# Altium PCB PCB1.PcbDoc (part 5 of 5)
Units mil, origin at the board's own origin, x right, y up, seen from the top; angles counter-clockwise.
Board outline 6250.19 x 5128.14 mil, 2 copper layers (Top Layer, Bottom Layer); 140 components, 0 nets, 729 pads, 141 vias.
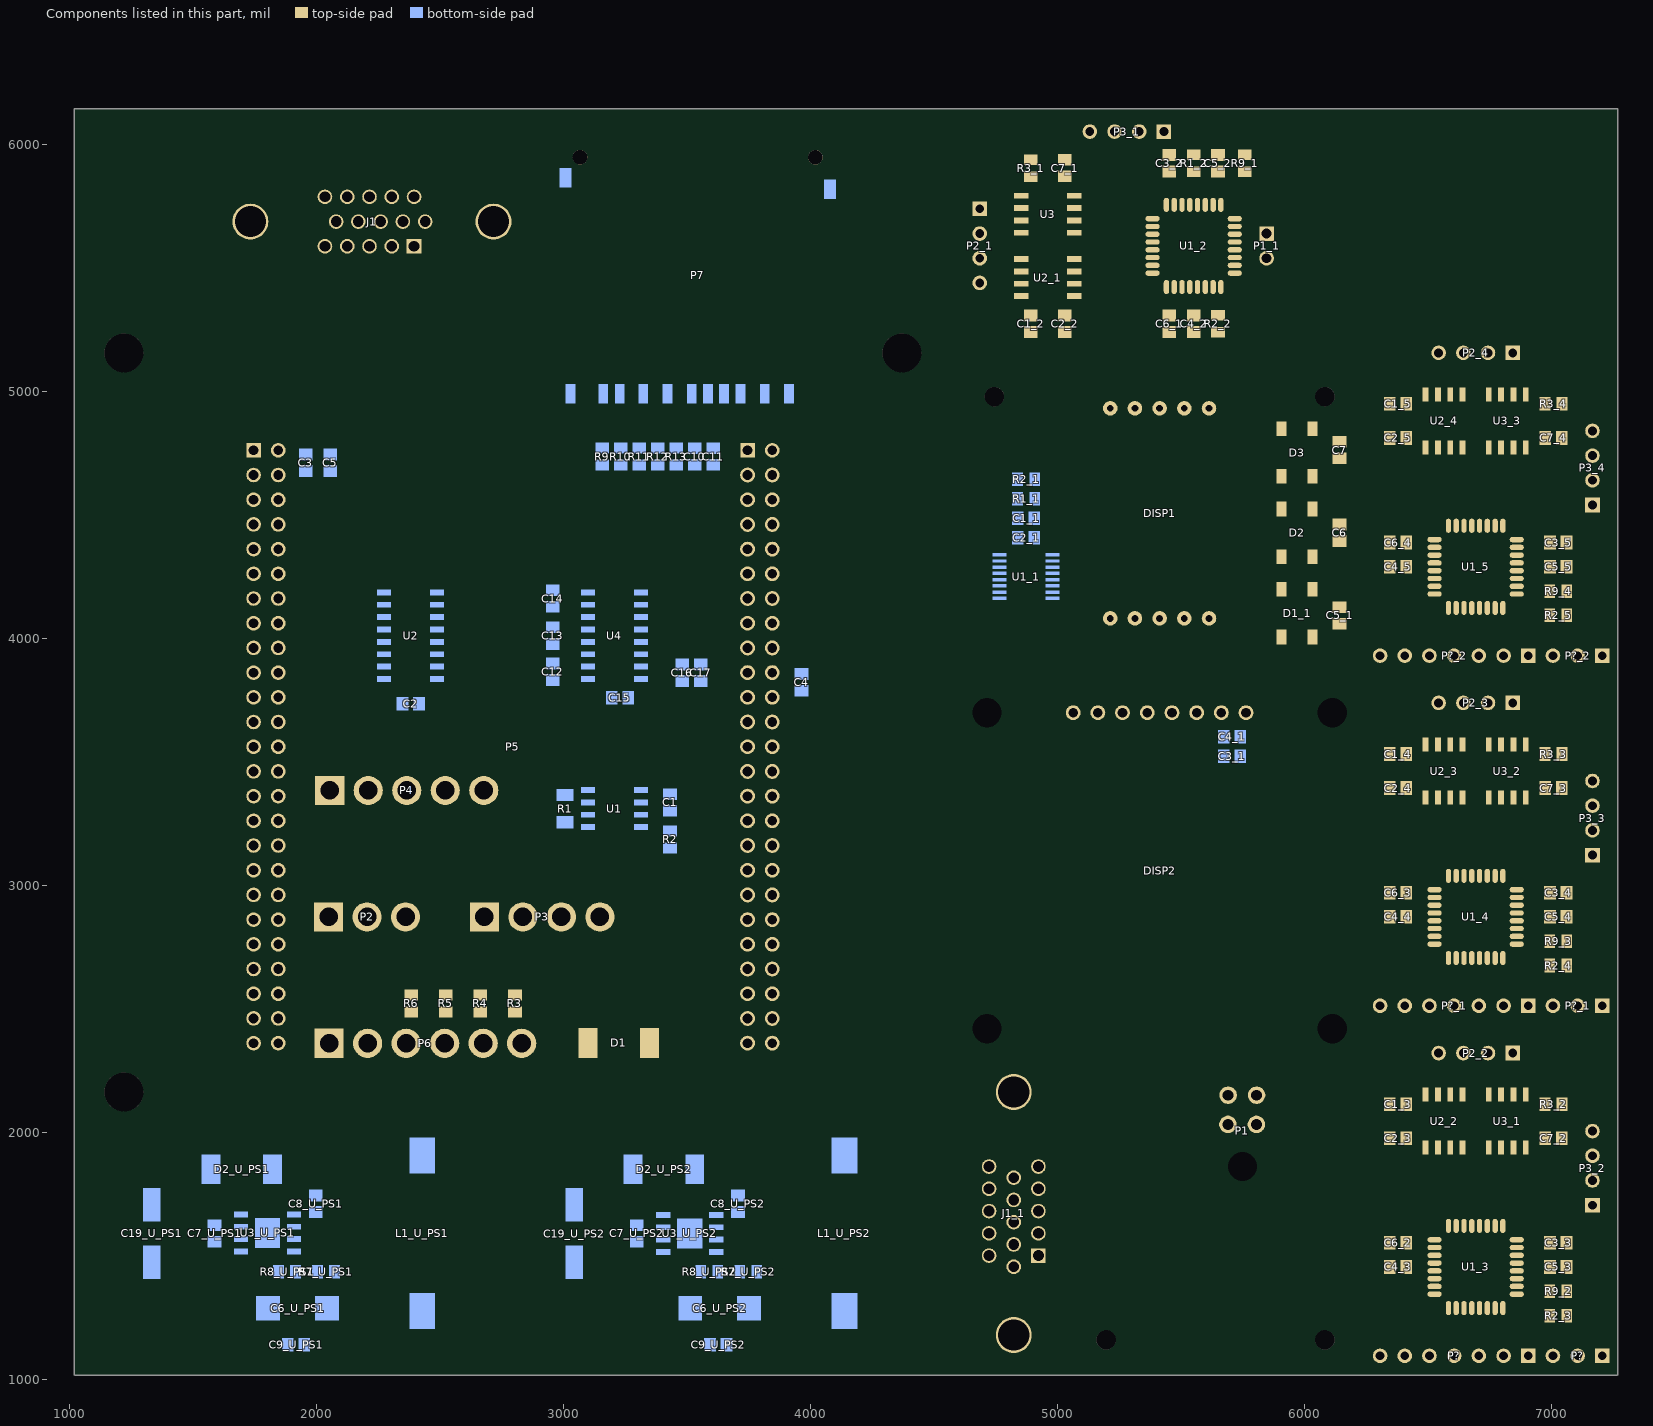
[diagram p5: the components of this part, seen from the top]

## Via types
v1: diameter 35.43/35.43 (per signal layer), hole 11.81, Top Layer to Bottom Layer, tented both sides, 115 vias
v2: diameter 47.24/47.24 (per signal layer), hole 19.68, Top Layer to Bottom Layer, tented both sides, 14 vias
v3: diameter 35.43, hole 11.81, Top Layer to Bottom Layer, tented both sides, 12 vias

## Nets (pads, with @x,y where several pads share a name; then routed paths per layer and width w, separated by ;. In a path a pad name is that pad's centre, name@x,y a point inside that pad or via, vN(x,y) a via of type N, cw(c..) or ccw(c..) an arc to the next point about the centre after c; other vN are vias at no path point) (continued)
copper on no net: (continued)
  Bottom Layer w1: 5939.7,1357.62 5978.7,1357.62 ; 5939.7,1358.62 5978.7,1358.62 ; 5940.7,1323.62 5978.7,1323.62 ; 5940.7,1355.62 5978.7,1355.62 ; 5940.7,1356.62 5978.7,1356.62 ; 5941.7,1352.62 5978.7,1352.62 ; 5941.7,1353.62 5978.7,1353.62 ; 5941.7,1354.62 5978.7,1354.62 ; 5942.7,1322.62 5978.7,1322.62 ; 5942.7,1350.62 5978.7,1350.62 ; 5942.7,1351.62 5978.7,1351.62 ; 5943.7,1321.62 5978.7,1321.62 ; 5943.7,1348.62 5978.7,1348.62 ; 5943.7,1349.62 5978.7,1349.62 ; 5944.7,1284.62 5978.7,1284.62 ; 5944.7,1319.62 5978.7,1319.62 ; 5944.7,1320.62 5978.7,1320.62 ; 5944.7,1346.62 5978.7,1346.62 ; 5944.7,1347.62 5978.7,1347.62 ; 5945.7,1285.62 5978.7,1285.62 ; 5945.7,1317.62 5978.7,1317.62 ; 5945.7,1318.62 5978.7,1318.62 ; 5945.7,1344.62 5978.7,1344.62 ; 5945.7,1345.62 5978.7,1345.62 ; 5946.7,1286.62 5978.7,1286.62 ; 5946.7,1287.62 5978.7,1287.62 ; 5946.7,1288.62 5978.7,1288.62 ; 5946.7,1289.62 5978.7,1289.62 ; 5946.7,1290.62 5978.7,1290.62 ; 5946.7,1291.62 5978.7,1291.62 ; 5946.7,1292.62 5978.7,1292.62 ; 5946.7,1293.62 5978.7,1293.62 ; 5946.7,1294.62 5978.7,1294.62 ; 5946.7,1295.62 5978.7,1295.62 ; 5946.7,1296.62 5978.7,1296.62 ; 5946.7,1297.62 5978.7,1297.62 ; 5946.7,1298.62 5978.7,1298.62 ; 5946.7,1299.62 5978.7,1299.62 ; 5946.7,1300.62 5978.7,1300.62 ; 5946.7,1301.62 5978.7,1301.62 ; 5946.7,1302.62 5978.7,1302.62 ; 5946.7,1303.62 5978.7,1303.62 ; 5946.7,1304.62 5978.7,1304.62 ; 5946.7,1305.62 5978.7,1305.62 ; 5946.7,1306.62 5978.7,1306.62 ; 5946.7,1307.62 5978.7,1307.62 ; 5946.7,1308.62 5978.7,1308.62 ; 5946.7,1309.62 5978.7,1309.62 ; 5946.7,1310.62 5978.7,1310.62 ; 5946.7,1311.62 5978.7,1311.62 ; 5946.7,1312.62 5978.7,1312.62 ; 5946.7,1313.62 5978.7,1313.62 ; 5946.7,1314.62 5978.7,1314.62 ; 5946.7,1315.62 5978.7,1315.62 ; 5946.7,1316.62 5978.7,1316.62 ; 5946.7,1341.62 5978.7,1341.62 ; 5946.7,1342.62 5978.7,1342.62 ; 5946.7,1343.62 5978.7,1343.62 ; 5947.7,1339.62 5978.7,1339.62 ; 5947.7,1340.62 5978.7,1340.62 ; 5948.7,1336.62 5978.7,1336.62 ; 5948.7,1337.62 5978.7,1337.62 ; 5948.7,1338.62 5978.7,1338.62
  Bottom Layer w10: 1745.28,2462.99 1795.75,2513.46 1865.79,2513.46 1900.77,2548.44 1900.77,2578.78 1958.32,2636.34 2370.91,2636.34 v1(2383.62,2623.62) ; 1745.28,2562.99 1794.88,2612.6 1878.02,2612.6 1941.76,2676.34 2405.46,2676.34 2425.46,2656.34 2537.17,2656.34 2569.89,2623.62 v1(2663.62,2623.62) ; 1745.28,3862.99 1693.63,3914.63 1693.63,4086.35 1655.75,4124.24 1655.75,4197.62 1631.3,4222.07 1631.3,4493.79 1611.3,4513.79 1611.3,4834.44 1893.62,5116.76 1893.62,5755.34 1980.88,5842.6 2251.1,5842.6 2304.73,5788.98 ; 1745.28,3962.99 1791.3,4009.02 1791.3,4087.6 1764.26,4114.63 1721.92,4114.63 1695.75,4140.8 1695.75,4214.19 1671.3,4238.64 1671.3,4510.36 1651.3,4530.36 1651.3,4817.87 1933.62,5100.19 1933.62,5453.62 1983.62,5503.62 2263.62,5503.62 v1(2343.62,5423.62) ; 1745.28,4062.99 1675.75,4132.52 1675.75,4205.91 1651.3,4230.36 1651.3,4502.07 1631.3,4522.07 1631.3,4826.15 1913.62,5108.47 1913.62,5694.92 1957.2,5738.5 2099.85,5738.5 2100.76,5737.6 2148.08,5737.6 2148.98,5738.5 2190.01,5738.5 2190.92,5737.6 2238.23,5737.6 2239.13,5738.5 2280.16,5738.5 2281.07,5737.6 2328.39,5737.6 2329.29,5738.5 2390.44,5738.5 2445.32,5683.62 ; 1745.28,4362.99 1795.67,4312.6 2356.3,4312.6 2406.3,4262.6 2406.3,4037.6 2453.15,3990.75 2488.58,3990.75 ; 1845.28,2562.99 1856.69,2562.99 1950.04,2656.34 2397.17,2656.34 2429.89,2623.62 v1(2523.62,2623.62) ; 1845.28,2662.99 1900.12,2662.99 1933.47,2696.34 2413.74,2696.34 2433.74,2676.34 2545.46,2676.34 2565.46,2656.34 2677.17,2656.34 2709.89,2623.62 v1(2803.62,2623.62) ; 1845.28,3862.99 1794.88,3812.6 1725.63,3812.6 1693.63,3844.59 1693.63,3886.35 1673.63,3906.35 1673.63,4078.06 1635.75,4115.95 1635.75,4189.34 1611.3,4213.79 1611.3,4485.5 1591.3,4505.5 1591.3,4842.72 1873.62,5125.04 1873.62,5763.62 1982.6,5872.6 2311.26,5872.6 2400.24,5783.62 ; 1845.28,3962.99 1913.62,3894.65 1913.62,3753.62 1873.46,3713.46 1824.76,3713.46 1824.6,3713.62 1765.95,3713.62 1765.79,3713.46 1724.76,3713.46 1695.75,3742.48 1695.75,3814.19 1673.63,3836.31 1673.63,3878.06 1653.63,3898.06 1653.63,4069.78 1615.75,4107.67 1615.75,4181.06 1591.3,4205.5 1591.3,4477.22 1571.3,4497.22 1571.3,4851 1853.62,5133.33 1853.62,5771.91 1974.31,5892.6 2374.65,5892.6 v1(2393.62,5873.62) ; 1845.28,4062.99 1794.8,4113.46 1794.8,4183.51 1765.71,4212.6 1725.63,4212.6 1691.3,4246.93 1691.3,4518.64 1671.3,4538.64 1671.3,4809.58 1973.62,5111.91 v1(1973.62,5423.62) ; v1(2213.62,5423.62) 2213.62,5323.62 1691.3,4801.3 1691.3,4546.93 1724.76,4513.46 1764.85,4513.46 1794.8,4483.51 1794.8,4443.42 1824.76,4413.46 1864.85,4413.46 1894.8,4383.51 1894.8,4359.09 1921.3,4332.6 2364.58,4332.6 2426.3,4270.88 2426.3,4067.6 2456.3,4037.6 2506.3,4037.6 ; 2231.3,5587.6 2234.25,5590.55 ; v1(2446.3,5872.6) 2784.65,5872.6 3123.62,5533.62 3883.56,5533.62 4006.3,5410.88 4006.3,4114.31 3895.28,4003.29 3895.28,3942.28 3865.99,3912.99 3824.57,3912.99 3795.28,3883.7 3795.28,3733.62 3815.91,3712.99 3865.99,3712.99 3906.3,3672.68 3906.3,3332.6 3886.69,3312.99 3795.28,3312.99 3745.28,3262.99 ; 2488.58,3887.6 2569.09,3887.6 2603.62,3853.07 v1(2603.62,3723.62) ; 2488.58,4087.6 2556.3,4087.6 2703.62,3940.28 v1(2703.62,3723.62) ; 2488.58,4187.6 2656.3,4187.6 2686.3,4217.6 2686.3,4270.88 2723.01,4307.6 3636.3,4307.6 3676.3,4267.6 3676.3,4217.6 3730.91,4162.99 3745.28,4162.99 ; 2506.3,3937.6 2596.3,3937.6 2653.62,3880.28 v1(2653.62,3723.62) ; 2506.3,4137.6 2634.58,4137.6 2706.3,4209.31 2706.3,4262.6 2731.3,4287.6 3628.01,4287.6 3656.3,4259.31 3656.3,4207.6 3688.52,4175.38 3688.52,4149.03 3724.57,4112.99 3795.28,4112.99 3845.28,4062.99 ; v1(2513.62,5833.62) 2795.34,5833.62 3115.34,5513.62 3875.28,5513.62 3986.3,5402.6 3986.3,4122.6 3876.69,4012.99 3795.28,4012.99 3745.28,4062.99 ; v1(2523.62,3033.62) 2526.99,3033.62 2550.97,3057.6 2815.88,3057.6 2873.62,3115.34 2873.62,3483.62 2903.62,3513.62 3585.61,3513.62 3633.62,3561.64 3633.62,3941.91 3588.6,3986.93 3313.58,3986.93 ; v1(2523.62,3083.62) 2524.27,3084.27 2814.27,3084.27 2853.62,3123.62 2853.62,3491.91 2895.34,3533.62 3577.32,3533.62 3613.62,3569.92 3613.62,3933.62 3580.31,3966.93 3396.93,3966.93 3367.6,3937.6 3313.58,3937.6 ; 2656.3,3401.97 2672.44,3385.83 ; v1(2941.3,3172.6) 2941.3,3285.94 3004.35,3349 3015.75,3337.6 3099.02,3337.6 ; 2956.3,3833.3 2977.14,3833.3 2972.84,3837.6 3099.02,3837.6 ; 2972.44,3912.6 2982.44,3902.6 2996.3,3902.6 3031.3,3937.6 3099.02,3937.6 ; 2972.44,3983.47 2976.57,3987.6 3099.02,3987.6 ; 2972.44,4050.39 2985.24,4037.6 3099.02,4037.6 ; 2972.44,4121.26 2997.64,4121.26 3029.88,4089.02 3099.02,4089.02 ; v1(3013.62,3173.62) 3013.62,3270.83 3006.3,3278.15 3015.75,3287.6 3099.02,3287.6 ; 3099.02,3887.6 3156.3,3887.6 3194.88,3849.02 3194.88,3761.02 ; 3101.38,3387.6 3156.3,3387.6 3191.3,3352.6 3191.3,3227.6 3256.3,3162.6 3415.98,3162.6 3424.05,3154.53 ; 3156.3,4772.05 3156.3,4862.6 3106.3,4912.6 3106.3,5112.6 3181.3,5187.6 3831.3,5187.6 3913.39,5105.51 3913.39,4992.48 ; 3160.64,4992.48 3160.64,4908.26 3231.3,4837.6 3231.3,4772.05 ; 3227.57,4960.94 3227.57,4961.73 ; 3227.57,4992.48 3227.57,4961.73 ; 3306.3,4772.05 v1@3306.3,4882.2 ; v1(3306.3,4887.6) v1@3306.3,4882.99 ; 3313.58,3237.6 3276.3,3237.6 3256.3,3257.6 3256.3,3427.6 3286.3,3457.6 3604.58,3457.6 3676.3,3385.88 3676.3,3261.26 3722.39,3215.17 3763.81,3215.17 3795.28,3183.7 3795.28,3112.99 3845.28,3062.99 ; 3313.58,3387.6 3313.58,3419.88 3331.3,3437.6 3596.3,3437.6 3656.3,3377.6 3656.3,3251.97 3745.28,3162.99 ; 3313.58,4035.47 3628.43,4035.47 3671.3,3992.6 3671.3,3708.68 3691.3,3688.68 3691.3,3642.6 3720.91,3612.99 3795.28,3612.99 3845.28,3662.99 ; 3313.58,4085.47 3606.71,4085.47 3691.3,4000.88 3691.3,3716.97 3745.28,3662.99 ; 3381.3,4772.05 v1(3381.3,4887.6) 3381.3,4952.51 3421.26,4992.48 ; 3456.3,4772.05 v1(3456.3,4887.6) 3458.8,4885.1 3653.8,4885.1 3716.53,4947.83 3716.53,4992.48 ; 3734.25,3062.99 3745.28,3062.99 ; v1(3806.3,4912.6) 3814.97,4921.27 3814.97,4992.48 ; 3845.28,3162.99 3862.99,3162.99 ; 4721.73,1681.1 4722.83,1681.1 ; 4722.83,1502.75 4676.3,1549.29 4676.3,1883.62 4726.3,1933.62 5062.87,1933.62 5236.3,2107.05 5236.3,3451.91 5163.39,3524.82 5163.39,3700.79 ; 4722.83,1592.91 4776.3,1539.45 4776.3,1483.62 4746.3,1453.62 4696.3,1453.62 4656.3,1493.62 4656.3,1891.91 4718.02,1953.62 5054.58,1953.62 5216.3,2115.34 5216.3,3443.62 5063.39,3596.54 5063.39,3700.79 ; 4722.83,1683.07 4722.83,1681.1 ; 4722.83,1773.22 4746.7,1773.22 ; 4722.83,1863.38 4722.83,1880.16 ; 4765.55,4188.98 4721.65,4188.98 4716.3,4183.62 4716.3,4093.62 4986.3,3823.62 5406.3,3823.62 5463.39,3766.54 5463.39,3700.79 5463.39,3620.71 5296.3,3453.62 5296.3,2013.62 v1(5256.3,1973.62) ; 4765.55,4214.17 4718.57,4214.17 4696.3,4191.91 4696.3,4083.62 4976.3,3803.62 5326.3,3803.62 5363.39,3766.54 5363.39,3700.79 5363.39,3548.99 5276.3,3461.91 5276.3,2043.62 v1(5206.3,1973.62) ; 4765.55,4239.37 4715.48,4239.37 4676.3,4200.19 4676.3,4075.34 5006.3,3745.34 5006.3,3623.62 5196.3,3433.62 5196.3,2123.62 5046.3,1973.62 4709.73,1973.62 4636.3,1900.19 4636.3,1483.62 4716.3,1403.62 4846.3,1403.62 4876.3,1433.62 4876.3,1557.34 4840.17,1593.46 4804.39,1593.46 4722.83,1675.02 4722.83,1681.1 ; 4765.55,4264.57 4728.92,4264.57 4696.3,4297.19 4696.3,4741.91 5048.02,5093.62 5536.3,5093.62 5666.3,4963.62 5666.3,4913.62 5636.3,4883.62 5546.3,4883.62 5513.39,4916.54 5513.39,4933.07 ; 4765.55,4289.76 4732.01,4289.76 4716.3,4305.47 4716.3,4733.62 5056.3,5073.62 5472.83,5073.62 5613.39,4933.07 ; 4765.55,4314.96 4799.09,4314.96 4826.3,4287.76 4826.3,4103.62 4931.5,3998.43 5321.1,3998.43 5366.3,4043.62 5366.3,4113.62 5386.3,4133.62 5462.44,4133.62 5513.39,4082.68 ; 4765.55,4340.16 4802.18,4340.16 4846.3,4296.04 4846.3,4113.62 4936.3,4023.62 5256.3,4023.62 5313.39,4080.71 5313.39,4082.68 ; 4876.3,1818.31 4966.3,1818.31 ; 4907.28,4645.67 4934.25,4645.67 4956.3,4623.62 4956.3,4373.62 4933.8,4351.12 4933.8,4196.12 4940.94,4188.98 4980.12,4188.98 ; 4922.83,1683.07 5765.75,1683.07 5956.3,1873.62 v1(5956.3,3623.62) ; 4980.12,4264.57 4983.43,4267.87 5428.19,4267.87 5613.39,4082.68 ; 4980.12,4289.76 5062.44,4289.76 5213.39,4440.71 5213.39,4933.07 ; 4980.12,4314.96 5059.35,4314.96 5193.39,4448.99 5193.39,4846.54 5156.3,4883.62 5156.3,4953.62 5180.28,4977.6 5268.86,4977.6 5313.39,4933.07 ; 4980.12,4340.16 5052.83,4340.16 5173.39,4460.71 5173.39,4838.25 5136.3,4875.34 5136.3,4961.91 5171.99,4997.6 5332.32,4997.6 5366.3,4963.62 5366.3,4863.62 5666.3,4563.62 5666.3,4063.62 5636.3,4033.62 5586.3,4033.62 5561.75,4058.18 5561.75,4098.18 5506.3,4153.62 5284.33,4153.62 5213.39,4082.68 ; 5036.3,4963.62 5090.28,5017.6 5362.32,5017.6 5386.3,4993.62 ; v1(5156.3,1973.62) 5256.3,2073.62 5256.3,3693.7 5263.39,3700.79 ; v1(5340.94,5773.54) v1(5460.94,5653.54) ; v1(5400.94,5773.54) v1(5520.94,5653.54) ; v1(5400.94,5833.54) 5420.94,5853.54 5660.94,5853.54 ; v1(5456.3,1843.62) 5566.3,1953.62 5724.88,1953.62 5805.12,2033.86 ; v1(5456.3,1913.62) 5516.3,1973.62 5606.3,1973.62 5627.76,1995.08 5627.76,2075.08 5646.3,2093.62 5747.76,2093.62 5806.1,2151.97 ; v1(5600.94,5813.54) 5640.94,5773.54 v1(5640.94,5673.54) 5673.94,5640.55 5846.46,5640.55 ; v1(5660.94,5833.54) 5660.94,5853.54 ; 5846.46,5540.55 5907.95,5540.55 5920.94,5553.54 5920.94,5753.54 5820.94,5853.54 5660.94,5853.54 ; 6505.91,1096.93 6595.57,1186.6 v1(6595.57,1527.27) ; 6505.91,2514.25 6595.57,2603.92 v1(6595.57,2944.59) ; 6505.91,3931.57 6595.57,4021.24 v1(6595.57,4361.91) ; v1@6515.91,1646.93 6575.91,1706.93 6895.91,1706.93 6935.91,1666.93 v1(6935.91,1606.93) ; v1@6515.91,3064.25 6575.91,3124.25 6895.91,3124.25 6935.91,3084.25 v1(6935.91,3024.25) ; v1@6515.91,4481.57 6575.91,4541.57 6895.91,4541.57 6935.91,4501.57 v1(6935.91,4441.57) ; 6605.91,1096.93 6654.59,1145.61 v1(6654.59,1527.27) ; 6605.91,2514.25 6654.59,2562.94 v1(6654.59,2944.59) ; 6605.91,3931.57 6654.59,3980.26 v1(6654.59,4361.91) ; v1(6755.91,1486.93) v1(6875.91,1606.93) ; v1(6755.91,1546.93) v1(6875.91,1666.93) ; v1(6755.91,2904.25) v1(6875.91,3024.25) ; v1(6755.91,2964.25) v1(6875.91,3084.25) ; v1(6755.91,4321.57) v1(6875.91,4441.57) ; v1(6755.91,4381.57) v1(6875.91,4501.57) ; 3227.57,4961.73 v1@3306.3,4882.99 ; v1@3306.3,4882.2 3305.91,4882.6 v1@3306.3,4882.99 ; v1@3306.3,4882.2 v1@3306.3,4882.99
  Bottom Layer w20: 1728.35,4746.06 1745.28,4762.99 ; v1(2066.3,1492.6) 2066.3,1443.35 2072.72,1436.93 ; 3261.81,3761.02 3267.72,3766.93 ; v2@3956.3,3916.93 v2(3956.69,3917.32) ; 5613.39,3653.62 5613.39,3750.41 ; 6142.05,3984.02 6142.05,3985.04
  Bottom Layer w25: 1909.33,1669.41 1989.25,1669.41 1998.9,1679.06 ; 2022.6,3562.6 2356.3,3562.6 2414.76,3621.06 2414.76,3796.06 2456.3,3837.6 2488.58,3837.6 ; 2281.3,4087.6 2306.3,4087.6 2347.84,4046.06 2347.84,3739.2 ; 2392.6,1279.45 2431.97,1240.08 ; 2831.3,3612.6 3506.3,3612.6 3556.3,3662.6 3556.3,3837.6 3349.02,3837.6 ; 2956.3,4196.06 2997.84,4237.6 3161.3,4237.6 3206.3,4192.6 3206.3,3951.34 3270.04,3887.6 ; 3014.76,4712.6 3597.84,4712.6 3606.3,4704.13 3614.76,4712.6 3656.3,4712.6 3681.3,4737.6 3681.3,4800.1 3733.8,4852.6 3826.3,4852.6 3868.8,4895.1 3868.8,5075.1 3806.3,5137.6 3581.3,5137.6 3519.68,5075.98 3519.68,4992.48 ; v2(3256.3,3687.6) 3261.81,3693.11 3261.81,3761.02 3261.81,3868.11 3281.3,3887.6 3313.58,3887.6 3547.84,3887.6 3556.3,3896.06 ; 3313.58,3287.6 3368.8,3287.6 3385.34,3304.13 3426.81,3304.13 ; 3313.58,3337.6 3343.8,3337.6 3377.26,3371.06 3547.84,3371.06 3581.3,3337.6 3581.3,3262.6 3540.75,3222.05 3431.3,3222.05 ; 3322.84,4992.48 3322.84,5054.13 3356.3,5087.6 3431.3,5087.6 3468.8,5050.1 3468.8,4950.1 3506.3,4912.6 3556.3,4912.6 3584.64,4940.94 3584.64,5065.94 3606.3,5087.6 3731.3,5087.6 3768.8,5050.1 3768.8,4947.58 3599.29,4778.07 ; 3431.3,3304.13 3502.26,3304.13 v2(3506.3,3300.1) ; 3531.3,4771.06 3617.28,4771.06 ; 3531.3,4796.06 3531.3,4812.6 v2(3556.3,4837.6) ; 3618.54,1669.41 3698.46,1669.41 3708.11,1679.06 ; v1(3776.3,1492.6) 3776.3,1442.56 3781.93,1436.93 ; 4101.81,1279.45 4141.18,1240.08 ; 4822.83,1818.3 4876.3,1818.3 ; 4838.39,4566.93 4802.99,4566.93 4776.3,4593.62 4776.3,4703.62 5036.3,4963.62 ; 4907.28,4566.93 4907.28,4410.43 4906.3,4409.45 4906.3,4183.62 4930.33,4159.59 4980.12,4159.59 ; 4922.83,1863.39 5246.07,1863.39 5613.39,2230.71 5613.39,3653.62 ; 4966.3,1818.31 5250.98,1818.31 5876.3,2443.62 5876.3,3663.62 6142.05,3929.37 6142.05,3984.02 ; 5386.3,4993.62 5413.39,4966.54 5413.39,4933.07 5413.39,4876.54 5706.3,4583.62 5706.3,4043.62 5656.3,3993.62 5513.39,3993.62 ; 5413.39,4082.68 5424.33,4082.68 5505.64,4001.37 ; 5613.39,3750.41 5613.39,3993.62 ; 5672.83,3523.62 5672.83,3603.62 ; 5763.39,3700.79 5739.76,3677.17 5739.76,3603.62 5739.76,3523.62 5876.3,3523.62 ; 6142.05,3985.04 v1(6142.05,4245.04) v1(6142.05,4285.04) v1(6142.05,4565.04) v1(6142.05,4605.04) v1(6142.05,4865.04) v1(6142.05,4905.04)
  Bottom Layer w30: 1745.28,4662.99 1845.28,4662.99 1861.42,4679.13 1956.3,4679.13 2056.3,4679.13 2581.3,4679.13 ; 1845.28,4762.99 1862.2,4746.06 2056.3,4746.06 ; 2022.6,3562.6 1933.62,3473.62 v1(1933.62,3283.62) 1954.65,3262.6 2731.3,3262.6 2781.3,3312.6 2781.3,3562.6 2831.3,3612.6 2781.3,3662.6 v2(2781.3,4132.6) v2(2781.3,4187.6) ; v2(2583.62,5423.62) 2583.62,4681.46 2581.3,4679.13 ; v2(2781.3,4387.6) v2(2781.3,4437.6) 2781.3,4479.13 ; 3014.76,4712.6 2781.3,4479.13 ; v2(3506.3,2957.6) v2(3566.3,2897.6) 3566.3,2392.6 3726.3,2232.6 3886.3,2232.6 3993.62,2339.92 3993.62,3779.13 3861.42,3779.13 3845.28,3762.99 ; 3956.3,3846.06 3956.69,3846.46 v2(3956.69,3917.32) ; 2581.3,4679.13 2781.3,4479.13
  other v1: 2906.3,1152.6 2906.3,1212.6 3417.95,1242.2 1707.09,1242.6 1206.3,1252.6 2906.3,1272.6 3417.95,1292.2 1707.09,1292.6 1206.3,1312.6 2906.3,1332.6 3417.95,1342.2 1707.09,1342.6 1206.3,1372.6 2997.95,1382.2 3057.95,1382.2 3117.95,1382.2 1287.09,1382.6 1347.09,1382.6 1407.09,1382.6 2906.3,1392.6 1206.3,1432.6 3117.95,1442.2 1407.09,1442.6 2906.3,1452.6 1206.3,1492.6 3117.95,1502.2 3177.95,1502.2 3237.95,1502.2 3297.95,1502.2 1407.09,1502.6 1467.09,1502.6 1527.09,1502.6 1587.09,1502.6 2906.3,1512.6 1206.3,1552.6 6082.05,3985.04 6082.05,4285.04 6082.05,4605.04
  other v2: 3333.62,2113.62 3383.62,2113.62 3433.62,2113.62
  other v3: 3489.65,1549.29 3532.95,1549.29 1780.39,1551.1 1823.7,1551.1 3489.65,1592.6 3532.95,1592.6 1780.39,1594.41 1823.7,1594.41 3489.65,1635.91 3532.95,1635.91 1780.39,1637.72 1823.7,1637.72

## Polygon pours and split planes (outlines as drawn)
no net on Top Layer "Top Layer GND" (solid, remove dead copper, pour order 52): 6259.84,5231.22 7263.78,5231.22 7263.78,3858.27 6259.84,3858.27
no net on Top Layer "Top Layer GND" (solid, remove dead copper, pour order 48): 6259.84,3813.9 7263.78,3813.9 7263.78,2440.94 6259.84,2440.95
no net on Top Layer "Top Layer GND" (solid, remove dead copper, pour order 44): 6259.84,2396.57 7263.78,2396.57 7263.78,1023.62 6259.84,1023.62
no net on Top Layer "Top_GND" (solid, remove dead copper, pour order 42): 4606.3,1023.62 4606.3,1065.67 4606.3,2265.67 4606.3,5118.11 6220.47,5118.11 6220.47,1023.62
no net on Top Layer "Top Layer GND" (solid, remove dead copper, pour order 36): 4611.3,5157.48 4611.3,6141.73 5984.25,6141.73 5984.25,5157.48
no net on Top Layer "Top Layer GND" (solid, remove dead copper, pour order 28): 1023.62,1023.62 4566.93,1023.62 4566.93,6141.73 1023.62,6141.73
no net on Bottom Layer "Bottom GND" (solid, remove dead copper, pour order 54): 6259.84,5231.22 7263.78,5231.22 7263.78,3858.27 6259.84,3858.27
no net on Bottom Layer "Bottom GND" (solid, remove dead copper, pour order 50): 6259.84,3813.9 7263.78,3813.9 7263.78,2440.94 6259.84,2440.95
no net on Bottom Layer "Bottom GND" (solid, remove dead copper, pour order 46): 6259.84,2396.57 7263.78,2396.57 7263.78,1023.62 6259.84,1023.62
no net on Bottom Layer "Bottom_GND" (solid, remove dead copper, pour order 40): 4606.3,1023.62 4606.3,1065.67 4606.3,2265.67 4606.3,5118.11 6220.47,5118.11 6220.47,1023.62
no net on Bottom Layer "Bottom GND" (solid, remove dead copper, pour order 38): 4611.3,5157.48 4611.3,6141.73 5984.25,6141.73 5984.25,5157.48
no net on Bottom Layer "Bottom Layer GND" (solid, remove dead copper, pour order 30): 1023.62,1023.62 4566.93,1023.62 4566.93,6141.73 1023.62,6141.73

## Keep-outs
Keep-Out Layer:
  lines w10: 1023.62,1023.62 4566.93,1023.62 6220.47,1023.62 7263.78,1023.62 7263.78,2401.57 7263.78,3818.9 7263.78,6141.73 5984.25,6141.73 4606.3,6141.73 1023.62,6141.73 1023.62,1023.62

## Other copper
Top Layer:
  region: 3293.62,2073.62 3293.62,2453.62 3393.62,2453.62 3393.62,2153.62 3473.62,2153.62 3473.62,2073.62 3393.62,2073.62
  region: 3243.62,2153.62 3243.62,1992.6 3597.95,1992.6 3597.95,1512.6 3526.3,1512.6 3526.3,1092.6 2746.3,1092.6 2746.3,1712.6 2306.3,1712.6 1866.3,1712.6 1866.3,1212.6 1166.3,1212.6 1166.3,1912.6 2066.3,1912.6 2066.3,1992.6 2746.3,1992.6 3163.62,1992.6 3163.62,2153.62
Bottom Layer:
  region: 3426.3,1582.6 2866.3,1582.6 2866.3,1112.6 3576.3,1112.6 3576.3,1922.6 3446.3,1922.6 3446.3,1482.6 3356.3,1482.6 3356.3,1552.6 3426.3,1552.6
  region: 3473.62,2152.6 1346.3,2152.6 1186.3,1992.6 1477.09,1992.6 1477.09,2072.6 2866.3,2072.6 2866.3,1992.6 3187.95,1992.6 3186.3,1994.25 3186.3,2072.6 3473.62,2072.6
  region: 1717.09,1672.6 1647.09,1672.6 1517.09,1672.6 1517.09,1992.6 2487.09,1992.6 2487.09,1782.6 2037.09,1782.6 2037.09,1722.6 1957.09,1722.6 1957.09,1782.6 1957.09,1942.6 1647.09,1942.6 1647.09,1712.6 1717.09,1712.6
  region: 1717.09,1642.6 1647.09,1642.6 1647.09,1652.6 1477.09,1652.6 1477.09,1992.6 1186.3,1992.6 1157.09,1963.39 1157.09,1602.6 1717.09,1602.6
  region: 1717.09,1582.6 1157.09,1582.6 1157.09,1112.6 1867.09,1112.6 1867.09,1922.6 1737.09,1922.6 1737.09,1482.6 1647.09,1482.6 1647.09,1552.6 1717.09,1552.6
  region: 1887.09,1532.6 1967.09,1532.6 1967.09,1452.6 2017.09,1452.6 2017.09,1432.6 1907.09,1432.6 1907.09,1452.6 1947.09,1452.6 1947.09,1512.6 1887.09,1512.6
  region: 1927.09,1112.6 1927.09,1362.6 2487.09,1362.6 2487.09,1192.6 2047.09,1192.6 2047.09,1112.6
  region: 3637.95,1112.2 3637.95,1362.2 4197.95,1362.2 4197.95,1192.2 3757.95,1192.2 3757.95,1112.2
  region: 3597.95,1532.2 3677.95,1532.2 3677.95,1452.2 3727.95,1452.2 3727.95,1432.2 3617.95,1432.2 3617.95,1452.2 3657.95,1452.2 3657.95,1512.2 3597.95,1512.2
  region: 3427.95,1642.2 3357.95,1642.2 3357.95,1652.2 3187.95,1652.2 3187.95,1992.6 2867.95,1992.6 2867.95,1602.2 3427.95,1602.2
  region: 3427.95,1672.2 3357.95,1672.2 3227.95,1672.2 3227.95,1992.2 4197.95,1992.2 4197.95,1782.2 3747.95,1782.2 3747.95,1722.2 3667.95,1722.2 3667.95,1782.2 3667.95,1942.2 3357.95,1942.2 3357.95,1712.2 3427.95,1712.2
  text "v 1.1    2016" at 1201.3,3772.6 h60 r270
  text "v 1.1" at 5616.3,1143.62 h60

## Text inside footprints (layer, text, board x,y; h text height)
J1: Bottom Overlay "15" at 1974.81,5763.98 h50; Bottom Overlay "1" at 2474.81,5563.98 h50
J1_1: Top Overlay "15" at 4747.83,1922.83 h50 r90; Top Overlay "1" at 4947.83,1422.83 h50 r90
P5: Top Overlay "2" at 1826.3,4867.6 h50 r270; Top Overlay "1" at 1725.28,4862.99 h50 r270; Top Overlay "49" at 1725.28,2282.99 h50 r270; Top Overlay "50" at 1825.28,2282.99 h50 r270; Top Overlay "100" at 3825.28,2282.99 h50 r270; Top Overlay "99" at 3725.28,2282.99 h50 r270; Top Overlay "51" at 3705.91,4920.47 h50 r270; Top Overlay "52" at 3823.62,4923.62 h50 r270